# Altium PCB Mother_board05.PcbDoc
Units mm, origin at the board's own origin, x right, y up, seen from the top; angles counter-clockwise.
Board outline 169 x 150.57 mm, 2 copper layers (Top Layer, Bottom Layer), stack 1.57 mm thick; 64 components, 64 nets, 306 pads, 86 vias.
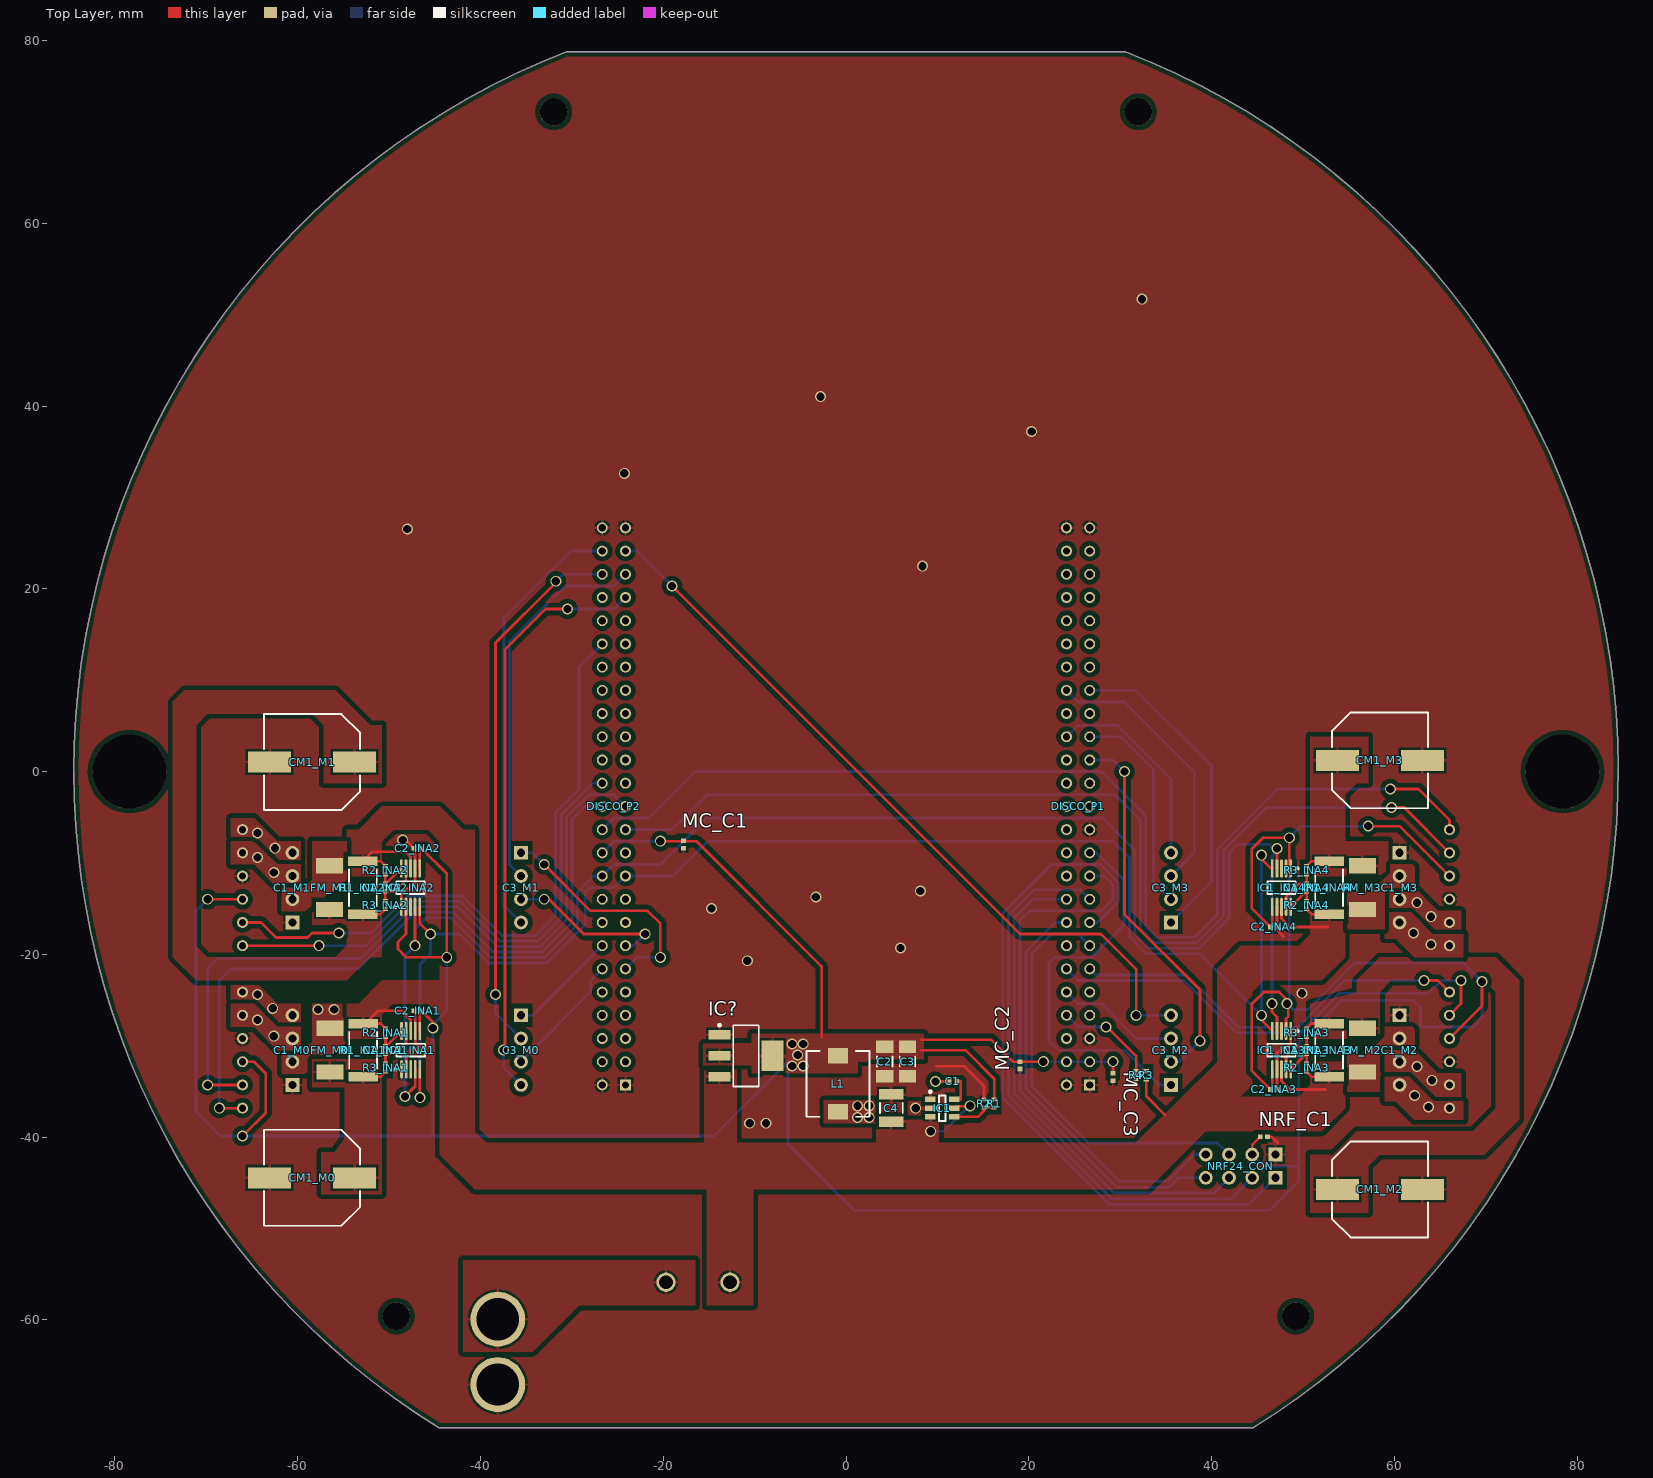
[diagram p0: Top Layer view]
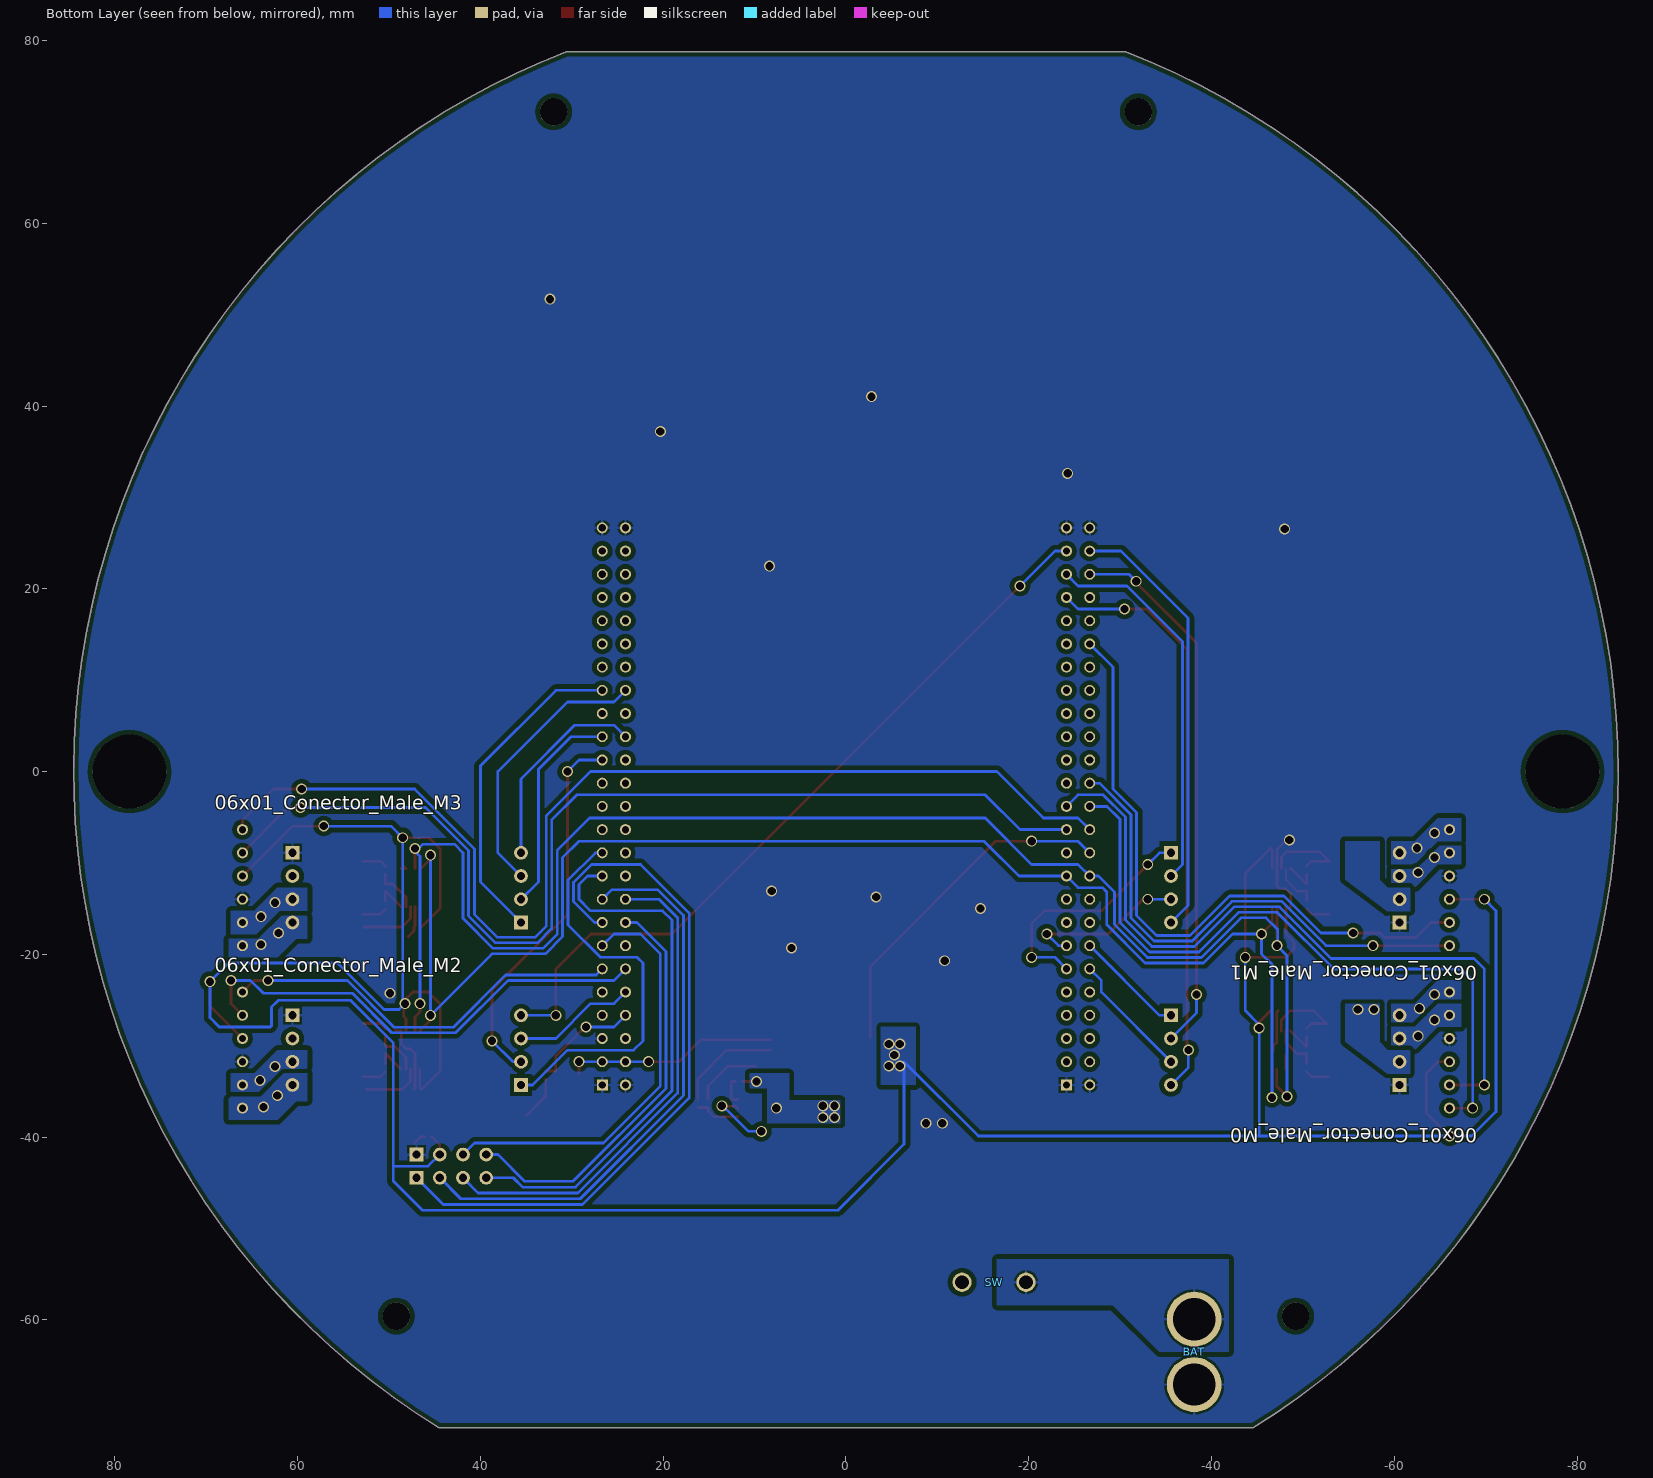
[diagram p1: Bottom Layer view, seen from below]
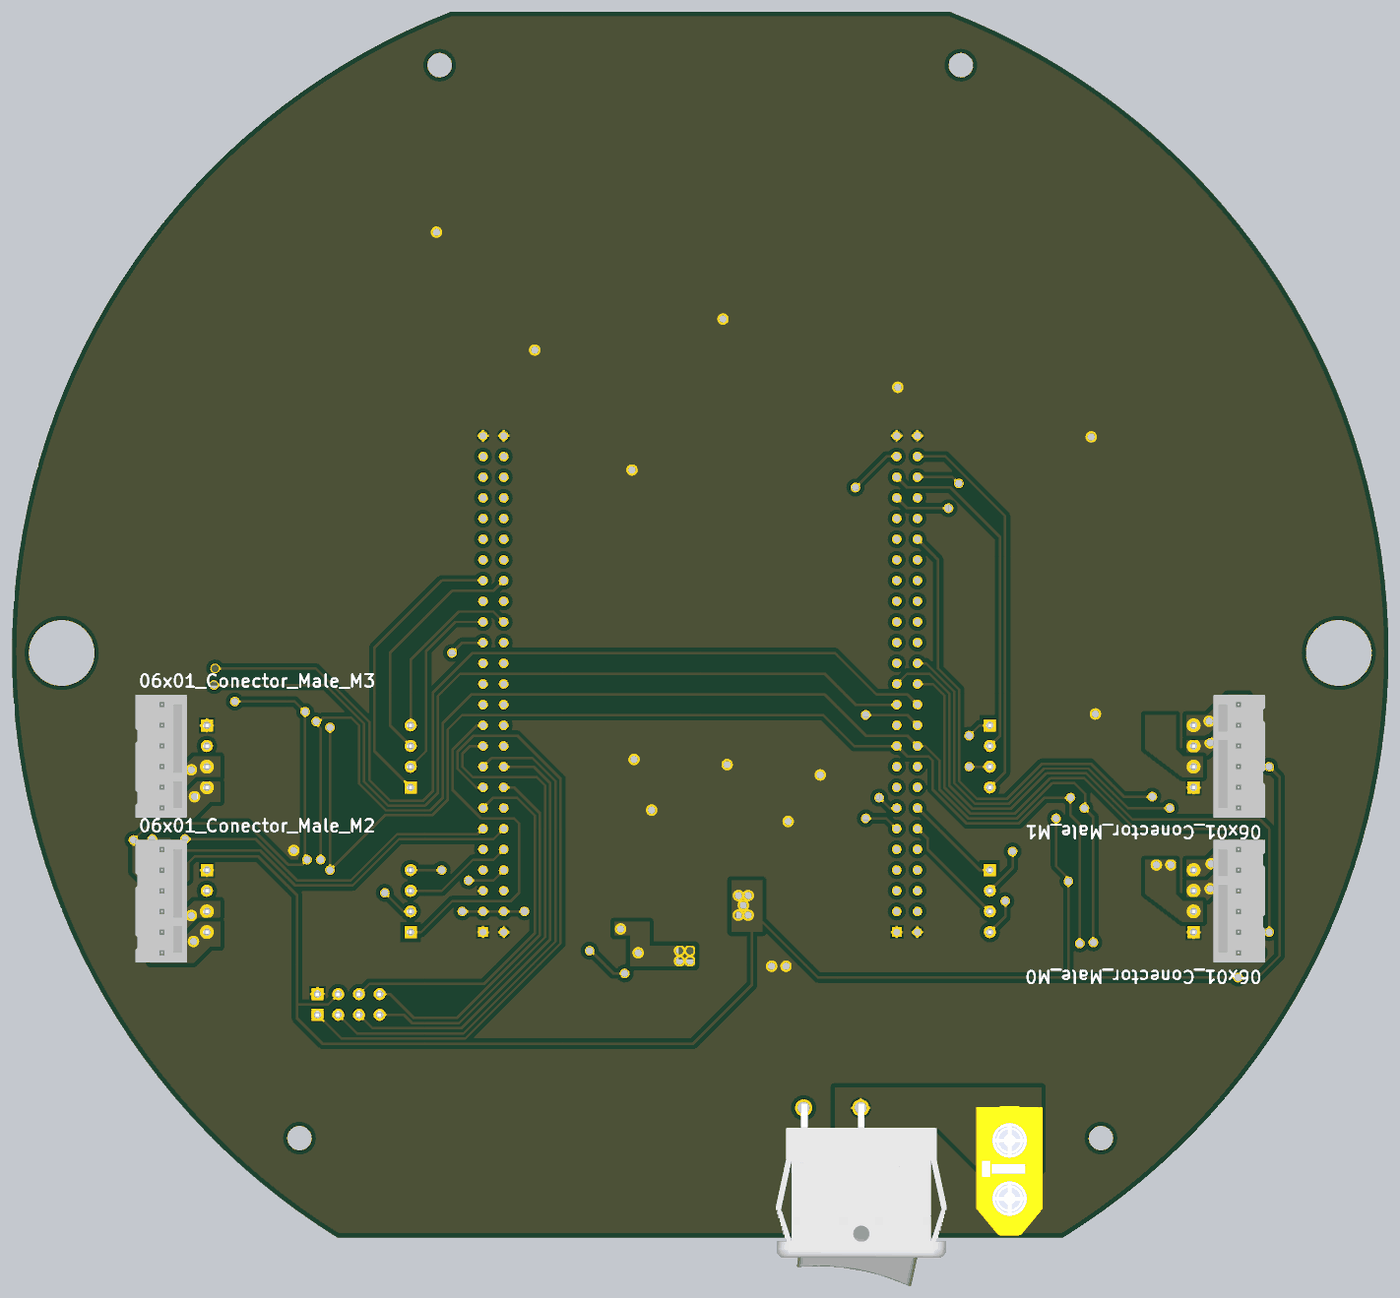
[diagram p2: 3D render of the assembled board from below, using the file's embedded part models]

## Layer stack, top to bottom
Top Solder: solder mask 0.01, Solder Resist, Dk 3.5
Top Layer: signal copper 0.035
Dielectric 1: dielectric 1.5, FR-4, Dk 4.8
Bottom Layer: signal copper 0.035
Bottom Solder: solder mask 0.01, Solder Resist, Dk 3.5

## Board outline
-30.603,78.764 -33.364,77.635 -36.083,76.409 -38.757,75.088 -41.383,73.673 -43.957,72.167 -46.477,70.57 -48.938,68.886 -51.339,67.116 -53.676,65.262 -55.946,63.327 -58.146,61.313 -60.274,59.223 -62.326,57.059 -64.301,54.823 -66.196,52.52 -68.008,50.151 -69.736,47.72 -71.377,45.229 -72.928,42.681 -74.389,40.081 -75.758,37.431 -77.031,34.734 -78.209,31.993 -79.29,29.213 -80.271,26.396 -81.153,23.547 -81.933,20.668 -82.612,17.764 -83.187,14.837 -83.659,11.892 -84.027,8.932 -84.29,5.961 -84.447,2.982 -84.5,0 -84.448,-2.959 -84.293,-5.914 -84.034,-8.861 -83.672,-11.798 -83.208,-14.72 -82.642,-17.625 -81.974,-20.508 -81.205,-23.365 -80.338,-26.194 -79.371,-28.991 -78.307,-31.752 -77.148,-34.474 -75.893,-37.154 -74.546,-39.789 -73.107,-42.375 -71.579,-44.908 -69.962,-47.387 -68.26,-49.807 -66.475,-52.167 -64.607,-54.462 -62.661,-56.691 -60.637,-58.85 -58.54,-60.937 -56.37,-62.949 -54.132,-64.885 -51.827,-66.74 -49.458,-68.514 -47.029,-70.203 -44.542,-71.807 44.542,-71.807 47.04,-70.196 49.479,-68.499 51.857,-66.717 54.171,-64.852 56.418,-62.907 58.595,-60.884 60.7,-58.786 62.729,-56.615 64.681,-54.374 66.553,-52.066 68.343,-49.694 70.048,-47.26 71.667,-44.767 73.197,-42.22 74.636,-39.62 75.983,-36.971 77.236,-34.276 78.394,-31.539 79.454,-28.763 80.416,-25.951 81.279,-23.107 82.041,-20.235 82.702,-17.337 83.261,-14.418 83.716,-11.482 84.068,-8.531 84.316,-5.569 84.46,-2.601 84.499,0.371 84.434,3.342 84.264,6.309 83.99,9.268 83.612,12.215 83.131,15.148 82.547,18.062 81.861,20.953 81.073,23.819 80.186,26.655 79.199,29.458 78.114,32.225 76.933,34.952 75.656,37.636 74.286,40.273 72.824,42.86 71.271,45.394 69.631,47.872 67.905,50.291 66.094,52.648 64.202,54.94 62.23,57.163 60.182,59.316 58.059,61.396 55.864,63.399 53.6,65.324 51.27,67.169 48.876,68.93 46.422,70.606 43.911,72.195 41.345,73.694 38.728,75.103 36.063,76.418 33.354,77.639 30.603,78.764

## Design rules (kind name [scope] priority, off if disabled: settings)
Clearance [All] p1: gap=0.3 except(0.2: Track-Track Track-SMDPad SMDPad-SMDPad; 0.5: Arc-Poly Track-Poly SMDPad-Poly THPad-Poly Via-Poly Fill-Poly Poly-Poly Poly-Region Poly-Text)
HoleSize [All] p1: absolutevalues=TRUE maxlimit=6 minlimit=0.025 maxpercent=80.000 minpercent=20.000
MinimumSolderMaskSliver [All] p1 off: minsoldermaskwidth=0.2
PlaneConnect [All] p1: planeconnectstyle=Direct reliefexpansion=0.508 reliefentries=4 reliefconductorwidth=0.254 reliefairgap=0.254
PolygonConnect PolygonConnect_1 [InNetClass('DIRECT')] p1: connectstyle=Direct reliefconductorwidth=0.508 reliefentries=4 polygonreliefangle="90 Angle" airgapwidth=0.254
PolygonConnect PolygonConnect_2 [IsVia] p2: connectstyle=Direct reliefconductorwidth=0.254 reliefentries=4 polygonreliefangle="90 Angle" airgapwidth=0.254
PolygonConnect "Schematic Polygon Connect Style" [InComponent('C3')] p3: connectstyle=Direct reliefconductorwidth=0.254 reliefentries=4 polygonreliefangle="45 Angle" airgapwidth=0.254
PolygonConnect "Schematic Polygon Connect Style_1" [InComponent('C2')] p4: connectstyle=Direct reliefconductorwidth=0.254 reliefentries=4 polygonreliefangle="45 Angle" airgapwidth=0.254
PolygonConnect "Schematic Polygon Connect Style_2" [InComponent('L1')] p5: connectstyle=Direct reliefconductorwidth=0.254 reliefentries=4 polygonreliefangle="45 Angle" airgapwidth=0.254
PolygonConnect [All] p6: connectstyle=Relief reliefconductorwidth=0.3 reliefentries=4 polygonreliefangle="90 Angle" airgapwidth=0.254
RoutingVias [All] p1: holewidth=0.7 width=1 viastyle="Through Hole" minholewidth=0.5 minwidth=0.7 maxholewidth=6 maxwidth=6
SilkToSilkClearance [All] p1 off: silktosilkclearance=0.254
SilkToSolderMaskClearance [IsPad] p1 off: minsilkscreentomaskgap=0.254 clearancetoexposedcopper=TRUE
SolderMaskExpansion [All] p1: expansion=0.102
Width [All] p1: maxlimit=1.016 minlimit=0.254 preferedwidth=0.3
25 further rules are at their usual default settings.

## Classes and differential pairs
channel class INA220: INA1 INA2 INA3 INA4
component class INA2: C1_INA2 C2_INA2 IC1_INA2 R1_INA2 R2_INA2 R3_INA2
component class INA3: C1_INA3 C2_INA3 IC1_INA3 R1_INA3 R2_INA3 R3_INA3
component class INA4: C1_INA4 C2_INA4 IC1_INA4 R1_INA4 R2_INA4 R3_INA4
component class INA1: C1_INA1 C2_INA1 IC1_INA1 R1_INA1 R2_INA1 R3_INA1
component class POWER: BAT C1 C2 C3 C4 IC1 IC? L1 R1 R2 R3 R4 SW
net class DIRECT: MA_M0 MA_M1 MA_M2 MA_M3 MB_M0 MB_M1 MB_M2 MB_M3 NetC1_2 NetC1_M0_2 NetC1_M1_2 NetC1_M2_2 NetC1_M3_2
component class M0: 06x01_Conector_Male_M0 C1_M0 C3_M0 CM1_M0 FM_M0
component class M1: 06x01_Conector_Male_M1 C1_M1 C3_M1 CM1_M1 FM_M1
component class M2: 06x01_Conector_Male_M2 C1_M2 C3_M2 CM1_M2 FM_M2
component class M3: 06x01_Conector_Male_M3 C1_M3 C3_M3 CM1_M3 FM_M3
component class Mother_board1: DISCO_P1 DISCO_P2 MC_C1 MC_C2 MC_C3 NRF24_CON NRF_C1
channel class MOTORES: M0 M1 M2 M3

## Components (designator, comment, footprint, x,y, rotation, side; value= is the part's Value field where it differs from the comment)
06x01_Conector_Male_M0 "0022112062" 06x01_Conector_Male -65.913,-30.48 r270 bottom (schematic designator 06x01_Conector_Male)
06x01_Conector_Male_M1 "0022112062" 06x01_Conector_Male -65.913,-12.7 r270 bottom (schematic designator 06x01_Conector_Male)
06x01_Conector_Male_M2 "0022112062" 06x01_Conector_Male 65.913,-30.48 r90 bottom (schematic designator 06x01_Conector_Male)
06x01_Conector_Male_M3 "0022112062" 06x01_Conector_Male 65.913,-12.7 r90 bottom (schematic designator 06x01_Conector_Male)
BAT "XT60" BATTERY_CONECTO-PCB -38.1,-63.5 r270 bottom
C1 "100nF" 0402-CAP 11.684,-33.909 r180 top
C1_INA1 "100nF" 0402-CAP -50.387,-30.48 r270 top (schematic designator C1)
C1_INA2 "100nF" 0402-CAP -50.412,-12.7 r270 top (schematic designator C1)
C1_INA3 "100nF" 0402-CAP 50.412,-30.48 r90 top (schematic designator C1)
C1_INA4 "100nF" 0402-CAP 50.412,-12.7 r90 top (schematic designator C1)
C1_M0 "PPPC041LFBN-RC" 04x01_Conector_Female -60.579,-30.48 r270 top (schematic designator C1)
C1_M1 "PPPC041LFBN-RC" 04x01_Conector_Female -60.579,-12.7 r270 top (schematic designator C1)
C1_M2 "PPPC041LFBN-RC" 04x01_Conector_Female 60.579,-30.48 r90 top (schematic designator C1)
C1_M3 "PPPC041LFBN-RC" 04x01_Conector_Female 60.579,-12.7 r90 top (schematic designator C1)
C2 "22uF" 1206-CAP 4.227,-31.726 r90 top
C2_INA1 "100nF" 0402-CAP -46.863,-26.176 r180 top (schematic designator C2)
C2_INA2 "100nF" 0402-CAP -46.863,-8.396 r180 top (schematic designator C2)
C2_INA3 "100nF" 0402-CAP 46.863,-34.784 r0 top (schematic designator C2)
C2_INA4 "100nF" 0402-CAP 46.863,-17.004 r0 top (schematic designator C2)
C3 "22uF" 1206-CAP 6.731,-31.726 r90 top
C3_M0 "PPPC041LFBN-RC" 04x01_Conector_Female -35.56,-30.48 r90 top (schematic designator C3)
C3_M1 "PPPC041LFBN-RC" 04x01_Conector_Female -35.56,-12.7 r90 top (schematic designator C3)
C3_M2 "PPPC041LFBN-RC" 04x01_Conector_Female 35.56,-30.48 r270 top (schematic designator C3)
C3_M3 "PPPC041LFBN-RC" 04x01_Conector_Female 35.56,-12.7 r270 top (schematic designator C3)
C4 "10uF" PCBComponent 4.953,-36.83 r270 top
CM1_M0 "EEE-FK1C681GP" EEE-FK1C681GP -58.42,-44.45 r180 top (schematic designator CM1)
CM1_M1 "EEE-FK1C681GP" EEE-FK1C681GP -58.42,1.037 r180 top (schematic designator CM1)
CM1_M2 "EEE-FK1C681GP" EEE-FK1C681GP 58.42,-45.72 r0 top (schematic designator CM1)
CM1_M3 "EEE-FK1C681GP" EEE-FK1C681GP 58.42,1.23 r0 top (schematic designator CM1)
DISCO_P1 "SFH11-PBPC-D25-ST-BK" 25x02_Conector_Female 25.4,-3.81 r90 top
DISCO_P2 "SFH11-PBPC-D25-ST-BK" 25x02_Conector_Female -25.4,-3.81 r90 top
FM_M0 "MF-MSMF250/16X" RESC4632X16N -56.49,-30.48 r270 top (schematic designator FM)
FM_M1 "MF-MSMF250/16X" RESC4632X16N -56.515,-12.7 r270 top (schematic designator FM)
FM_M2 "MF-MSMF250/16X" RESC4632X16N 56.515,-30.48 r90 top (schematic designator FM)
FM_M3 "MF-MSMF250/16X" RESC4632X16N 56.515,-12.7 r90 top (schematic designator FM)
IC1 "TPS563200DDCT" SOT95P280X110-6N 10.541,-36.83 r0 top
IC1_INA1 "INA220BIDGST" TSSOP10 -47.633,-30.48 r90 top (schematic designator IC1)
IC1_INA2 "INA220BIDGST" TSSOP10 -47.657,-12.7 r90 top (schematic designator IC1)
IC1_INA3 "INA220BIDGST" TSSOP10 47.657,-30.48 r270 top (schematic designator IC1)
IC1_INA4 "INA220BIDGST" TSSOP10 47.657,-12.7 r270 top (schematic designator IC1)
IC? "LD1117S33CTR" SOT-223_N -10.943,-31.101 r0 top
L1 "CLF7045T-4R7N-H" CLF7045T -0.889,-34.165 r180 top
MC_C1 "100nF" 0402-CAP -17.78,-7.982 r90 top
MC_C2 "100nF" 0402-CAP 19.05,-32.15 r90 top
MC_C3 "100nF" 0402-CAP 29.21,-33.42 r270 top
NRF24_CON "PPPC042LFBN-RC" 04x02_Conector_Female 43.18,-43.18 r0 top
NRF_C1 "100nF" 0402-CAP 45.72,-39.97 r0 top
R1 "33K" 0402-RES-HD 16.217,-36.322 r90 top
R1_INA1 "R2512-0R02" 2512-RES-HD -52.841,-30.48 r90 top (schematic designator R1)
R1_INA2 "R2512-0R02" 2512-RES-HD -52.866,-12.7 r90 top (schematic designator R1)
R1_INA3 "R2512-0R02" 2512-RES-HD 52.866,-30.48 r270 top (schematic designator R1)
R1_INA4 "R2512-0R02" 2512-RES-HD 52.866,-12.7 r270 top (schematic designator R1)
R2 "10K" 0402-RES-HD 15.113,-36.322 r270 top
R2_INA1 "0R" 0402-RES-HD -50.387,-28.576 r90 top (schematic designator R2)
R2_INA2 "0R" 0402-RES-HD -50.412,-10.796 r90 top (schematic designator R2)
R2_INA3 "0R" 0402-RES-HD 50.412,-32.385 r270 top (schematic designator R2)
R2_INA4 "0R" 0402-RES-HD 50.412,-14.605 r270 top (schematic designator R2)
R3 "10K" 0402-RES-HD 32.854,-33.216 r270 top
R3_INA1 "0R" 0402-RES-HD -50.387,-32.384 r270 top (schematic designator R3)
R3_INA2 "0R" 0402-RES-HD -50.412,-14.604 r270 top (schematic designator R3)
R3_INA3 "0R" 0402-RES-HD 50.412,-28.575 r90 top (schematic designator R3)
R3_INA4 "0R" 0402-RES-HD 50.412,-10.796 r90 top (schematic designator R3)
R4 "33K" 0402-RES-HD 31.75,-33.206 r90 top
SW "R1966ABLKBLKGR" R1966AB-PCB -19.583,-66.421 r90 bottom

## Footprints (in the part's own frame and the unit in brackets; to place one, negate y for a bottom-side part, rotate by r counter-clockwise, add the part's x,y. Pads: shape width x height; smd on the part's side, far side on the other; paste and mask are expansions set on the pad)
04x01_Conector_Female [mm] "PPPC041LFBN-RC"
  round 1.5 hole 0.9: 0(-3.81,0) 1(-1.27,0) 2(1.27,0)
  rect 1.5x1.5 hole 0.9: 3(3.81,0)
  body extent -5.33,-1.27 5.33,1.27, height 8.5
04x02_Conector_Female [mm] "PPPC042LFBN-RC"
  round 1.5 hole 0.9: 0(-3.81,1.27) 1(-1.27,1.27) 2(1.27,1.27) 4(-3.81,-1.27) 5(-1.27,-1.27) 6(1.27,-1.27)
  rect 1.5x1.5 hole 0.9: 3(3.81,1.27) 7(3.81,-1.27)
  body extent -5.3,-2.55 5.36,2.53, height 8.52
06x01_Conector_Male [mil] "0022112062"
  round 47.25 hole 31.5: 1(250,5) 2(150,5) 3(50,5) 4(-50,5) 5(-150,5) 6(-250,5)
  body extent -297,-115 297,135, height 124
25x02_Conector_Female [mil] "SFH11-PBPC-D25-ST-BK"
  rect 47.25x47.25 hole 31.5: 1(-1200,-50)
  round 47.25 hole 31.5: 2(-1200,50) 3(-1100,-50) 4(-1100,50) 5(-1000,-50) 6(-1000,50) 7(-900,-50) 8(-900,50) 9(-800,-50) 10(-800,50) 11(-700,-50) 12(-700,50) 13(-600,-50) 14(-600,50) 15(-500,-50) 16(-500,50) 17(-400,-50) 18(-400,50) 19(-300,-50) 20(-300,50) 21(-200,-50) 22(-200,50) 23(-100,-50) 24(-100,50) 25(0,-50) 26(0,50) 27(100,-50) 28(100,50) 29(200,-50) 30(200,50) 31(300,-50) 32(300,50) 33(400,-50) 34(400,50) 35(500,-50) 36(500,50) 37(600,-50) 38(600,50) 39(700,-50) 40(700,50) 41(800,-50) 42(800,50) 43(900,-50) 44(900,50) 45(1000,-50) 46(1000,50) 47(1100,-50) 48(1100,50) 49(1200,-50) 50(1200,50)
  body extent -1350,-121 1350,115, height 333
0402-CAP [mm] "Chip Capacitor, Body 1.0x0.5mm, Height 0.6mm, IPC Medium Density"
  rect 0.52x0.52 smd: 1(-0.4,0) 2(0.4,0)
  body extent -0.55,-0.3 0.55,0.3, height 0.33
0402-RES-HD [mm] "Chip Resistor, Body 1.0x0.5mm, IPC High Density"
  rect 0.45x0.55 smd: 1(-0.45,0) 2(0.45,0)
  body extent -0.52,-0.27 0.53,0.28, height 0.4
1206-CAP [mm] "Chip Capacitor, Body 3.2x1.6mm, Height 1.7mm, IPC Low Density"
  rect 1.35x1.9 smd: 1(-1.6,0) 2(1.6,0)
  silkscreen extent -0.55,-0.85 0.55,0.85, body extent -1.7,-0.9 1.7,0.9, height 1.7
2512-RES-HD [mm] "Chip Resistor, Body 6.4x3.2mm, IPC High Density"
  rect 1.05x3.25 smd: 1(-2.9,0) 2(2.9,0)
  silkscreen extent -2,-1.52 2,1.53, body extent -3.25,-1.7 3.25,1.7, height 0.75
BATTERY_CONECTO-PCB [mm]
  round 6 hole 4.62: 0(-3.58,0) 1(3.58,0)
  body extent -7.82,-4.19 8.08,3.96, height 16.4
CLF7045T [mm]
  rect 2.2x1.7 smd: 1(0,3.05) 2(0,-3.05)
  silkscreen extent -3.45,-3.6 3.45,3.6, body extent -3.5,-3.6 3.5,3.6, height 4.51
EEE-FK1C681GP [mm] "Aluminum Electrolytic Capacitor, Body 10,30x10,30x10,50mm, IPC Low Density"
  rect 4.7x2.3 smd: 1(-4.65,0) 2(4.65,0)
  silkscreen extent -5.25,-5.25 5.25,5.25, body extent -5.65,-5.21 5.65,5.09, height 10.41
PCBComponent [mm]
  rect 1.15x2.7 smd: 1(-1.5,0) 2(1.5,0)
  silkscreen extent -0.55,-1.25 0.55,1.25, body extent -1.7,-1.4 1.7,1.4, height 2.8
R1966AB-PCB [mm] "SWITCH ROCKER SPST 15A 125V"
  round 2.1 hole 1.5: 0(10.541,-0.117)
  round 2.1 hole 1.5 paste+0: 1(10.541,6.883)
  body extent -11.38,-10.67 11.12,10.28, height 15.6
RESC4632X16N [mm] "Chip Resistor, 2-Leads, Body 4,60x3,24mm, IPC Medium Density"
  rect 1.68x2.95 smd: 1(-2.39,0) 2(2.39,0)
  body extent -2.3,-1.62 2.3,1.62, height 1.15
SOT95P280X110-6N [mm] "SOT23, 6-Leads, Body 2,90x2,80mm, Pitch 0,95mm, IPC Medium Density"
  rect 1.15x0.6 smd: 1(-1.3,0.95) 2(-1.3,0) 3(-1.3,-0.95) 4(1.3,-0.95) 5(1.3,0) 6(1.3,0.95)
  silkscreen extent -1.42,-1.4 0.35,1.92, body extent -0.72,-1.37 0.72,1.38, height 1.1
SOT-223_N [mm] "SOT223, 4-Leads, Body 6.5x3.5mm, Pitch 2.3mm, Lead Span 7mm, IPC Medium Density"
  rect 2.4x1 smd: 1(-2.9,2.3) 2(-2.9,0) 3(-2.9,-2.3)
  rect 2.4x3.3 smd: 4(2.9,0)
  silkscreen extent -3.02,-3.35 1.4,3.47, body extent -1.85,-3.35 1.85,3.35, height 1.8
TSSOP10 [mm] "TSSOP, 10-Leads, Body 3x3mm, Pitch 0.5mm, IPC Low Density"